# KiCad board haptic display 8x8 aisler.kicad_pcb (continued)
## Routing (per net, layer and track width the routed paths; a pad name or vN(x,y) marks a point on that pad's centre or on a via; arc(x,y) is an arc through that point) (continued)
  Front w0.25: 109.05,15.55 107.75,15.55 105.2,18.1 105.2,26.7 109.05,30.55 107.75,30.55 105.2,33.1 105.2,41.7 109.05,45.55 107.75,45.55 105.2,48.1 105.2,56.7 109.05,60.55 107.75,60.55 105.2,63.1 105.2,71.7 109.05,75.55 107.75,75.55 105.2,78.1 105.2,86.7 109.05,90.55 107.75,90.55 105.2,93.1 105.2,101.7 109.05,105.55 107.75,105.55 105.2,108.1 105.2,116.7 109.05,120.55 107.7,120.55 105.25,123 105.25,126.95 102.5,129.7 89.15,129.7 J1.7
  In1.Cu w0.15: v1(110.35,120) 110,120.35 110,120.55 109.68,120.56 109.37,120.6 109.06,120.66 108.75,120.74 108.45,120.84 108.16,120.97 107.88,121.11 107.61,121.28 107.35,121.46 107.1,121.66 106.88,121.88 106.66,122.11 106.47,122.36 106.29,122.62 106.13,122.89 105.99,123.17 105.88,123.46 105.78,123.76 105.7,124.07 105.65,124.37 105.62,124.69 105.61,125 105.63,125.31 105.66,125.62 105.72,125.93 105.8,126.23 105.9,126.53 106.02,126.82 106.17,127.09 106.33,127.36 106.51,127.61 106.71,127.85 106.92,128.08 107.15,128.29 107.39,128.48 107.65,128.66 107.92,128.81 108.2,128.95 108.48,129.07 108.78,129.16 109.08,129.23 109.38,129.29 109.69,129.32 110,129.32 110.31,129.31 110.61,129.28 110.92,129.22 111.22,129.14 111.51,129.04 111.79,128.92 112.06,128.78 112.33,128.62 112.58,128.44 112.81,128.25 113.04,128.04 113.24,127.81 113.43,127.57 113.6,127.32 113.76,127.05 113.89,126.78 114.01,126.49 114.1,126.2 114.17,125.91 114.22,125.61 114.25,125.3 114.26,125 114.25,124.7 114.21,124.39 114.16,124.1 114.08,123.8 113.98,123.52 113.86,123.24 113.72,122.97 113.57,122.71 113.39,122.46 113.2,122.23 112.99,122.01 112.77,121.8 112.53,121.62 112.28,121.45 112.02,121.3 111.75,121.16 111.47,121.05 111.19,120.96 110.89,120.89 110.6,120.84 110.3,120.81 110,120.8 109.69,120.81 109.37,120.85 109.07,120.91 108.77,121 108.47,121.1 108.19,121.23 107.91,121.38 107.65,121.55 107.4,121.74 107.16,121.94 106.95,122.17 106.74,122.4 106.56,122.66 106.4,122.92 106.26,123.2 106.13,123.48 106.03,123.78 105.96,124.08 105.9,124.38 105.87,124.69 105.86,125 105.88,125.31 105.91,125.62 105.97,125.92 106.06,126.22 106.16,126.51 106.29,126.79 106.43,127.06 106.6,127.32 106.79,127.56 106.99,127.79 107.21,128.01 107.44,128.21 107.69,128.39 107.95,128.55 108.22,128.69 108.51,128.81 108.8,128.91 109.09,128.98 109.39,129.04 109.7,129.07 110,129.07 110.3,129.06 110.61,129.02 110.9,128.96 111.2,128.88 111.48,128.78 111.76,128.66 112.03,128.51 112.28,128.35 112.52,128.17 112.75,127.97 112.96,127.75 113.16,127.52 113.33,127.27 113.49,127.02 113.63,126.75 113.75,126.47 113.85,126.19 113.92,125.89 113.97,125.6 114,125.3 114.01,125 114,124.7 113.96,124.4 113.9,124.11 113.82,123.82 113.72,123.54 113.6,123.27 113.46,123 113.3,122.75 113.12,122.51 112.92,122.29 112.71,122.08 112.48,121.89 112.24,121.72 111.99,121.56 111.72,121.43 111.45,121.31 111.17,121.21 110.88,121.14 110.59,121.09 110.3,121.06 110,121.05 109.69,121.07 109.38,121.1 109.08,121.17 108.78,121.26 108.49,121.37 108.22,121.5 107.95,121.65 107.69,121.82 107.45,122.02 107.23,122.23 107.02,122.46 106.83,122.7 106.67,122.96 106.52,123.23 106.39,123.51 106.29,123.79 106.21,124.09 106.15,124.39 106.12,124.69 106.11,125 106.13,125.3 106.17,125.61 106.23,125.91 106.31,126.2 106.42,126.48 106.55,126.76 106.7,127.02 106.88,127.27 107.07,127.51 107.27,127.73 107.5,127.93 107.74,128.11 107.99,128.28 108.25,128.42 108.53,128.55 108.81,128.65 109.1,128.73 109.4,128.78 109.7,128.82 110,128.82 110.3,128.81 110.6,128.77 110.89,128.71 111.18,128.63 111.46,128.52 111.73,128.39 111.99,128.24 112.23,128.07 112.47,127.89 112.68,127.68 112.88,127.46 113.06,127.23 113.23,126.98 113.37,126.72 113.49,126.45 113.59,126.17 113.67,125.88 113.72,125.59 113.75,125.3 113.76,125 113.75,124.71 113.71,124.41 113.65,124.12 113.57,123.84 113.46,123.57 113.34,123.3 113.19,123.05 113.02,122.8 112.84,122.57 112.64,122.36 112.42,122.17 112.19,121.99 111.94,121.83 111.69,121.69 111.42,121.57 111.15,121.47 110.87,121.39 110.58,121.34 110.29,121.31 110,121.3 109.69,121.32 109.39,121.36 109.09,121.42 108.8,121.51 108.52,121.63 108.25,121.76 107.99,121.92 107.74,122.1 107.51,122.3 107.3,122.52 107.11,122.75 106.94,123 106.78,123.26 106.65,123.53 106.55,123.81 106.46,124.1 106.41,124.4 106.37,124.7 106.36,125 106.38,125.3 106.42,125.6 106.48,125.89 106.57,126.18 106.68,126.45 106.82,126.72 106.97,126.98 107.15,127.22 107.35,127.44 107.56,127.65 107.79,127.84 108.03,128.01 108.29,128.16 108.56,128.29 108.83,128.39 109.12,128.48 109.41,128.53 109.7,128.57 110,128.57 110.29,128.56 110.59,128.52 110.88,128.46 111.16,128.37 111.43,128.26 111.69,128.13 111.94,127.97 112.18,127.8 112.4,127.61 112.61,127.4 112.79,127.17 112.96,126.93 113.11,126.68 113.23,126.42 113.33,126.14 113.41,125.86 113.47,125.58 113.5,125.29 113.51,125 113.5,124.71 113.46,124.42 113.4,124.14 113.31,123.86 113.2,123.6 113.07,123.34 112.92,123.09 112.75,122.86 112.56,122.64 112.36,122.44 112.14,122.26 111.9,122.09 111.65,121.95 111.39,121.83 111.12,121.72 110.85,121.65 110.57,121.59 110.29,121.56 110,121.55 109.7,121.57 109.4,121.61 109.11,121.68 108.82,121.77 108.55,121.89 108.29,122.03 108.04,122.19 107.8,122.38 107.58,122.58 107.38,122.8 107.21,123.04 107.05,123.3 106.91,123.56 106.8,123.84 106.72,124.12 106.66,124.41 106.62,124.7 106.61,125 106.63,125.29 106.67,125.59 106.74,125.87 106.83,126.15 106.95,126.42 107.08,126.68 107.25,126.93 107.43,127.16 107.63,127.37 107.84,127.57 108.08,127.74 108.33,127.9 108.59,128.03 108.86,128.14 109.14,128.22 109.42,128.28 109.71,128.32 110,128.32 110.29,128.31 110.58,128.27 110.86,128.2 111.13,128.11 111.4,128 111.65,127.86 111.89,127.7 112.12,127.53 112.33,127.33 112.52,127.11 112.69,126.89 112.84,126.64 112.97,126.39 113.08,126.12 113.16,125.85 113.22,125.57 113.25,125.28 113.26,125 113.25,124.72 113.21,124.43 113.14,124.16 113.05,123.89 112.94,123.63 112.81,123.38 112.65,123.14 112.48,122.92 112.28,122.72 112.07,122.53 111.85,122.36 111.61,122.21 111.36,122.08 111.1,121.98 110.83,121.9 110.56,121.84 110.28,121.81 110,121.8 109.71,121.82 109.41,121.86 109.13,121.93 108.85,122.03 108.58,122.15 108.33,122.3 108.09,122.47 107.86,122.66 107.66,122.87 107.48,123.09 107.31,123.34 107.17,123.59 107.06,123.86 106.97,124.14 106.91,124.42 106.87,124.71 106.86,125 106.88,125.29 106.92,125.58 106.99,125.86 107.09,126.13 107.21,126.39 107.35,126.64 107.52,126.88 107.7,127.09 107.91,127.29 108.13,127.47 108.37,127.63 108.62,127.77 108.88,127.88 109.16,127.97 109.43,128.03 109.72,128.07 110,128.07 110.28,128.06 110.56,128.02 110.84,127.95 111.11,127.85 111.36,127.74 111.61,127.6 111.84,127.43 112.05,127.25 112.25,127.05 112.42,126.83 112.58,126.6 112.71,126.35 112.82,126.09 112.91,125.83 112.97,125.55 113,125.28 113.01,125 113,124.72 112.95,124.45 112.89,124.18 112.8,123.92 112.68,123.67 112.54,123.43 112.38,123.2 112.2,122.99 112.01,122.8 111.79,122.63 111.56,122.47 111.32,122.34 111.07,122.24 110.81,122.15 110.54,122.09 110.27,122.06 110,122.05 109.71,122.07 109.43,122.11 109.15,122.19 108.88,122.29 108.62,122.42 108.37,122.57 108.15,122.74 107.94,122.94 107.75,123.15 107.58,123.38 107.44,123.63 107.32,123.89 107.23,124.16 107.16,124.44 107.12,124.72 107.11,125 107.13,125.28 107.18,125.56 107.25,125.83 107.35,126.1 107.47,126.35 107.62,126.59 107.79,126.81 107.98,127.02 108.19,127.2 108.42,127.37 108.66,127.51 108.91,127.62 109.18,127.71 109.45,127.78 109.72,127.82 110,127.83 110.28,127.81 110.55,127.76 110.82,127.69 111.08,127.6 111.32,127.47 111.56,127.33 111.77,127.16 111.98,126.98 112.16,126.77 112.32,126.55 112.45,126.31 112.57,126.06 112.65,125.81 112.72,125.54 112.75,125.27 112.76,125 112.75,124.73 112.7,124.46 112.63,124.2 112.54,123.95 112.42,123.71 112.28,123.48 112.11,123.26 111.93,123.07 111.73,122.89 111.51,122.74 111.28,122.6 111.04,122.49 110.79,122.41 110.53,122.34 110.27,122.31 110,122.3 109.72,122.32 109.44,122.37 109.17,122.44 108.91,122.55 108.66,122.68 108.43,122.84 108.21,123.02 108.02,123.22 107.85,123.44 107.7,123.67 107.58,123.92 107.48,124.18 107.41,124.45 107.37,124.72 107.36,125 107.38,125.28 107.43,125.55 107.5,125.81 107.61,126.07 107.73,126.31 107.89,126.54 108.06,126.75 108.26,126.94 108.47,127.1 108.7,127.25 108.95,127.37 109.2,127.46 109.46,127.53 109.73,127.57 110,127.58 110.27,127.56 110.53,127.51 110.79,127.44 111.04,127.34 111.28,127.21 111.5,127.06 111.7,126.89 111.89,126.7 112.05,126.49 112.19,126.27 112.31,126.03 112.4,125.78 112.47,125.52 112.5,125.26 112.51,125 112.49,124.74 112.45,124.48 112.38,124.23 112.28,123.98 112.16,123.75 112.01,123.54 111.85,123.34 111.66,123.16 111.45,123 111.24,122.86 111,122.75 110.76,122.66 110.51,122.6 110.26,122.56 110,122.55 109.73,122.57 109.46,122.62 109.2,122.7 108.94,122.81 108.71,122.94 108.49,123.11 108.29,123.29 108.11,123.49 107.96,123.72 107.83,123.96 107.73,124.21 107.66,124.47 107.62,124.73 107.61,125 107.63,125.27 107.68,125.53 107.76,125.78 107.87,126.03 108,126.26 108.15,126.47 108.33,126.67 108.53,126.84 108.75,126.99 108.98,127.11 109.23,127.21 109.48,127.28 109.74,127.31 110,127.33 110.26,127.31 110.52,127.26 110.76,127.18 111,127.08 111.23,126.95 111.43,126.8 111.62,126.62 111.79,126.43 111.93,126.22 112.05,125.99 112.15,125.75 112.21,125.51 112.25,125.25 112.26,125 112.24,124.75 112.2,124.5 112.12,124.26 112.02,124.03 111.9,123.81 111.75,123.61 111.58,123.42 111.39,123.26 111.18,123.12 110.96,123 110.73,122.91 110.49,122.85 110.25,122.81 110,122.8 109.74,122.82 109.48,122.87 109.22,122.96 108.99,123.07 108.76,123.21 108.56,123.37 108.38,123.56 108.22,123.77 108.09,124 107.99,124.24 107.92,124.49 107.87,124.74 107.86,125 107.88,125.26 107.93,125.51 108.01,125.75 108.12,125.98 108.26,126.2 108.42,126.4 108.6,126.57 108.81,126.73 109.03,126.85 109.26,126.95 109.5,127.02 109.75,127.06 110,127.08 110.25,127.06 110.49,127.01 110.73,126.93 110.96,126.82 111.17,126.69 111.36,126.53 111.53,126.35 111.68,126.16 111.8,125.94 111.9,125.72 111.96,125.48 112,125.24 112.01,125 111.99,124.76 111.94,124.52 111.87,124.29 111.76,124.07 111.64,123.87 111.48,123.68 111.31,123.52 111.12,123.38 110.92,123.26 110.7,123.16 110.47,123.1 110.24,123.06 110,123.05 109.75,123.07 109.5,123.13 109.26,123.21 109.04,123.33 108.83,123.47 108.64,123.64 108.48,123.84 108.35,124.05 108.24,124.27 108.17,124.51 108.12,124.75 108.11,125 108.13,125.25 108.19,125.49 108.27,125.72 108.38,125.93 108.52,126.13 108.69,126.31 108.87,126.47 109.08,126.6 109.3,126.7 109.52,126.77 109.76,126.81 110,126.83 110.24,126.8 110.47,126.75 110.69,126.67 110.9,126.56 111.1,126.43 111.27,126.27 111.42,126.09 111.54,125.89 111.64,125.68 111.71,125.46 111.75,125.23 111.76,125 111.74,124.77 111.69,124.55 111.61,124.33 111.51,124.13 111.38,123.94 111.22,123.78 111.05,123.63 110.86,123.51 110.66,123.41 110.44,123.35 110.22,123.31 110,123.3 109.76,123.32 109.52,123.38 109.3,123.47 109.09,123.59 108.91,123.74 108.74,123.91 108.6,124.1 108.49,124.31 108.42,124.54 108.37,124.77 108.36,125 108.38,125.23 108.44,125.46 108.53,125.67 108.64,125.87 108.78,126.05 108.95,126.21 109.14,126.34 109.34,126.45 109.55,126.52 109.78,126.56 110,126.58 110.22,126.55 110.44,126.5 110.65,126.42 110.84,126.31 111.01,126.17 111.16,126.01 111.29,125.83 111.39,125.64 111.46,125.43 111.5,125.22 111.51,125 111.49,124.79 111.44,124.58 111.36,124.38 111.25,124.19 111.12,124.03 110.97,123.88 110.8,123.76 110.61,123.67 110.41,123.6 110.21,123.56 110,123.55 110,123.6 109.63,123.97 109.59,123.98 ; v1(110.35,105) 110,105.35 110,105.55 109.68,105.56 109.37,105.6 109.06,105.66 108.75,105.74 108.45,105.84 108.16,105.97 107.88,106.11 107.61,106.28 107.35,106.46 107.1,106.66 106.88,106.88 106.66,107.11 106.47,107.36 106.29,107.62 106.13,107.89 105.99,108.17 105.88,108.46 105.78,108.76 105.7,109.07 105.65,109.37 105.62,109.69 105.61,110 105.63,110.31 105.66,110.62 105.72,110.93 105.8,111.23 105.9,111.53 106.02,111.82 106.17,112.09 106.33,112.36 106.51,112.61 106.71,112.85 106.92,113.08 107.15,113.29 107.39,113.48 107.65,113.66 107.92,113.81 108.2,113.95 108.48,114.07 108.78,114.16 109.08,114.23 109.38,114.29 109.69,114.32 110,114.33 110.31,114.31 110.61,114.28 110.92,114.22 111.22,114.14 111.51,114.04 111.79,113.92 112.06,113.78 112.33,113.62 112.58,113.44 112.81,113.25 113.04,113.04 113.24,112.81 113.43,112.57 113.6,112.32 113.76,112.05 113.89,111.78 114.01,111.49 114.1,111.2 114.17,110.91 114.22,110.61 114.25,110.3 114.26,110 114.25,109.7 114.21,109.39 114.16,109.1 114.08,108.8 113.98,108.52 113.86,108.24 113.72,107.97 113.57,107.71 113.39,107.46 113.2,107.23 112.99,107.01 112.77,106.8 112.53,106.62 112.28,106.45 112.02,106.3 111.75,106.16 111.47,106.05 111.19,105.96 110.89,105.89 110.6,105.84 110.3,105.81 110,105.8 109.69,105.81 109.37,105.85 109.07,105.91 108.77,106 108.47,106.1 108.19,106.23 107.91,106.38 107.65,106.55 107.4,106.74 107.16,106.94 106.95,107.17 106.74,107.4 106.56,107.66 106.4,107.92 106.26,108.2 106.13,108.48 106.03,108.78 105.96,109.08 105.9,109.38 105.87,109.69 105.86,110 105.88,110.31 105.91,110.62 105.97,110.92 106.06,111.22 106.16,111.51 106.29,111.79 106.43,112.06 106.6,112.32 106.79,112.56 106.99,112.79 107.21,113.01 107.44,113.21 107.69,113.39 107.95,113.55 108.22,113.69 108.51,113.81 108.8,113.91 109.09,113.98 109.39,114.04 109.7,114.07 110,114.08 110.3,114.06 110.61,114.02 110.9,113.96 111.2,113.88 111.48,113.78 111.76,113.66 112.03,113.51 112.28,113.35 112.52,113.17 112.75,112.97 112.96,112.75 113.16,112.52 113.33,112.27 113.49,112.02 113.63,111.75 113.75,111.47 113.85,111.19 113.92,110.89 113.97,110.6 114,110.3 114.01,110 114,109.7 113.96,109.4 113.9,109.11 113.82,108.82 113.72,108.54 113.6,108.27 113.46,108 113.3,107.75 113.12,107.51 112.92,107.29 112.71,107.08 112.48,106.89 112.24,106.72 111.99,106.56 111.72,106.43 111.45,106.31 111.17,106.21 110.88,106.14 110.59,106.09 110.3,106.06 110,106.05 109.69,106.07 109.38,106.1 109.08,106.17 108.78,106.26 108.49,106.37 108.22,106.5 107.95,106.65 107.69,106.82 107.45,107.02 107.23,107.23 107.02,107.46 106.83,107.7 106.67,107.96 106.52,108.23 106.39,108.51 106.29,108.79 106.21,109.09 106.15,109.39 106.12,109.69 106.11,110 106.13,110.3 106.17,110.61 106.23,110.91 106.31,111.2 106.42,111.48 106.55,111.76 106.7,112.02 106.88,112.27 107.07,112.51 107.27,112.73 107.5,112.93 107.74,113.11 107.99,113.28 108.25,113.42 108.53,113.55 108.81,113.65 109.1,113.73 109.4,113.78 109.7,113.82 110,113.83 110.3,113.81 110.6,113.77 110.89,113.71 111.18,113.63 111.46,113.52 111.73,113.39 111.99,113.24 112.23,113.07 112.47,112.89 112.68,112.68 112.88,112.46 113.06,112.23 113.23,111.98 113.37,111.72 113.49,111.45 113.59,111.17 113.67,110.88 113.72,110.59 113.75,110.3 113.76,110 113.75,109.71 113.71,109.41 113.65,109.12 113.57,108.84 113.46,108.57 113.34,108.3 113.19,108.05 113.02,107.8 112.84,107.57 112.64,107.36 112.42,107.17 112.19,106.99 111.94,106.83 111.69,106.69 111.42,106.57 111.15,106.47 110.87,106.39 110.58,106.34 110.29,106.31 110,106.3 109.69,106.32 109.39,106.36 109.09,106.42 108.8,106.51 108.52,106.63 108.25,106.76 107.99,106.92 107.74,107.1 107.51,107.3 107.3,107.52 107.11,107.75 106.94,108 106.78,108.26 106.65,108.53 106.55,108.81 106.46,109.1 106.41,109.4 106.37,109.7 106.36,110 106.38,110.3 106.42,110.6 106.48,110.89 106.57,111.18 106.68,111.45 106.82,111.72 106.97,111.98 107.15,112.22 107.35,112.44 107.56,112.65 107.79,112.84 108.03,113.01 108.29,113.16 108.56,113.29 108.83,113.39 109.12,113.48 109.41,113.53 109.7,113.57 110,113.58 110.29,113.56 110.59,113.52 110.88,113.46 111.16,113.37 111.43,113.26 111.69,113.13 111.94,112.97 112.18,112.8 112.4,112.61 112.61,112.4 112.79,112.17 112.96,111.93 113.11,111.68 113.23,111.42 113.33,111.14 113.41,110.86 113.47,110.58 113.5,110.29 113.51,110 113.5,109.71 113.46,109.42 113.4,109.14 113.31,108.86 113.2,108.6 113.07,108.34 112.92,108.09 112.75,107.86 112.56,107.64 112.36,107.44 112.14,107.26 111.9,107.09 111.65,106.95 111.39,106.83 111.12,106.72 110.85,106.65 110.57,106.59 110.29,106.56 110,106.55 109.7,106.57 109.4,106.61 109.11,106.68 108.82,106.77 108.55,106.89 108.29,107.03 108.04,107.19 107.8,107.38 107.58,107.58 107.38,107.8 107.21,108.04 107.05,108.3 106.91,108.56 106.8,108.84 106.72,109.12 106.66,109.41 106.62,109.7 106.61,110 106.63,110.29 106.67,110.59 106.74,110.87 106.83,111.15 106.95,111.42 107.08,111.68 107.25,111.93 107.43,112.16 107.63,112.37 107.84,112.57 108.08,112.74 108.33,112.9 108.59,113.03 108.86,113.14 109.14,113.22 109.42,113.28 109.71,113.32 110,113.33 110.29,113.31 110.58,113.27 110.86,113.2 111.13,113.11 111.4,113 111.65,112.86 111.89,112.7 112.12,112.53 112.33,112.33 112.52,112.11 112.69,111.89 112.84,111.64 112.97,111.39 113.08,111.12 113.16,110.85 113.22,110.57 113.25,110.28 113.26,110 113.25,109.72 113.21,109.43 113.14,109.16 113.05,108.89 112.94,108.63 112.81,108.38 112.65,108.14 112.48,107.92 112.28,107.72 112.07,107.53 111.85,107.36 111.61,107.21 111.36,107.08 111.1,106.98 110.83,106.9 110.56,106.84 110.28,106.81 110,106.8 109.71,106.82 109.41,106.86 109.13,106.93 108.85,107.03 108.58,107.15 108.33,107.3 108.09,107.47 107.86,107.66 107.66,107.87 107.48,108.09 107.31,108.34 107.17,108.59 107.06,108.86 106.97,109.14 106.91,109.42 106.87,109.71 106.86,110 106.88,110.29 106.92,110.58 106.99,110.86 107.09,111.13 107.21,111.39 107.35,111.64 107.52,111.88 107.7,112.09 107.91,112.29 108.13,112.47 108.37,112.63 108.62,112.77 108.88,112.88 109.16,112.97 109.43,113.03 109.72,113.07 110,113.08 110.28,113.06 110.56,113.02 110.84,112.95 111.11,112.85 111.36,112.74 111.61,112.6 111.84,112.43 112.05,112.25 112.25,112.05 112.42,111.83 112.58,111.6 112.71,111.35 112.82,111.09 112.91,110.83 112.97,110.55 113,110.28 113.01,110 113,109.72 112.95,109.45 112.89,109.18 112.8,108.92 112.68,108.67 112.54,108.43 112.38,108.2 112.2,107.99 112.01,107.8 111.79,107.63 111.56,107.47 111.32,107.34 111.07,107.24 110.81,107.15 110.54,107.09 110.27,107.06 110,107.05 109.71,107.07 109.43,107.11 109.15,107.19 108.88,107.29 108.62,107.42 108.37,107.57 108.15,107.74 107.94,107.94 107.75,108.15 107.58,108.38 107.44,108.63 107.32,108.89 107.23,109.16 107.16,109.44 107.12,109.72 107.11,110 107.13,110.28 107.18,110.56 107.25,110.83 107.35,111.1 107.47,111.35 107.62,111.59 107.79,111.81 107.98,112.02 108.19,112.2 108.42,112.37 108.66,112.51 108.91,112.62 109.18,112.71 109.45,112.78 109.72,112.82 110,112.83 110.28,112.81 110.55,112.76 110.82,112.69 111.08,112.6 111.32,112.47 111.56,112.33 111.77,112.16 111.98,111.98 112.16,111.77 112.32,111.55 112.45,111.31 112.57,111.06 112.65,110.81 112.72,110.54 112.75,110.27 112.76,110 112.75,109.73 112.7,109.46 112.63,109.2 112.54,108.95 112.42,108.71 112.28,108.48 112.11,108.26 111.93,108.07 111.73,107.89 111.51,107.74 111.28,107.6 111.04,107.49 110.79,107.41 110.53,107.34 110.27,107.31 110,107.3 109.72,107.32 109.44,107.37 109.17,107.44 108.91,107.55 108.66,107.68 108.43,107.84 108.21,108.02 108.02,108.22 107.85,108.44 107.7,108.67 107.58,108.92 107.48,109.18 107.41,109.45 107.37,109.72 107.36,110 107.38,110.28 107.43,110.55 107.5,110.81 107.61,111.07 107.73,111.31 107.89,111.54 108.06,111.75 108.26,111.94 108.47,112.1 108.7,112.25 108.95,112.37 109.2,112.46 109.46,112.53 109.73,112.57 110,112.58 110.27,112.56 110.53,112.51 110.79,112.44 111.04,112.34 111.28,112.21 111.5,112.06 111.7,111.89 111.89,111.7 112.05,111.49 112.19,111.27 112.31,111.03 112.4,110.78 112.47,110.52 112.5,110.26 112.51,110 112.49,109.74 112.45,109.48 112.38,109.23 112.28,108.98 112.16,108.75 112.01,108.54 111.85,108.34 111.66,108.16 111.45,108 111.24,107.86 111,107.75 110.76,107.66 110.51,107.6 110.26,107.56 110,107.55 109.73,107.57 109.46,107.62 109.2,107.7 108.94,107.81 108.71,107.94 108.49,108.11 108.29,108.29 108.11,108.49 107.96,108.72 107.83,108.96 107.73,109.21 107.66,109.47 107.62,109.73 107.61,110 107.63,110.27 107.68,110.53 107.76,110.78 107.87,111.03 108,111.26 108.15,111.47 108.33,111.67 108.53,111.84 108.75,111.99 108.98,112.11 109.23,112.21 109.48,112.28 109.74,112.31 110,112.33 110.26,112.31 110.52,112.26 110.76,112.18 111,112.08 111.23,111.95 111.43,111.8 111.62,111.62 111.79,111.43 111.93,111.22 112.05,110.99 112.15,110.75 112.21,110.51 112.25,110.25 112.26,110 112.24,109.75 112.2,109.5 112.12,109.26 112.02,109.03 111.9,108.81 111.75,108.61 111.58,108.42 111.39,108.26 111.18,108.12 110.96,108 110.73,107.91 110.49,107.85 110.25,107.81 110,107.8 109.74,107.82 109.48,107.87 109.22,107.96 108.99,108.07 108.76,108.21 108.56,108.37 108.38,108.56 108.22,108.77 108.09,109 107.99,109.24 107.92,109.49 107.87,109.74 107.86,110 107.88,110.26 107.93,110.51 108.01,110.75 108.12,110.98 108.26,111.2 108.42,111.4 108.6,111.57 108.81,111.73 109.03,111.85 109.26,111.95 109.5,112.02 109.75,112.06 110,112.08 110.25,112.06 110.49,112.01 110.73,111.93 110.96,111.82 111.17,111.69 111.36,111.53 111.53,111.35 111.68,111.16 111.8,110.94 111.9,110.72 111.96,110.48 112,110.24 112.01,110 111.99,109.76 111.94,109.52 111.87,109.29 111.76,109.07 111.64,108.87 111.48,108.68 111.31,108.52 111.12,108.38 110.92,108.26 110.7,108.16 110.47,108.1 110.24,108.06 110,108.05 109.75,108.07 109.5,108.13 109.26,108.21 109.04,108.33 108.83,108.47 108.64,108.64 108.48,108.84 108.35,109.05 108.24,109.27 108.17,109.51 108.12,109.75 108.11,110 108.13,110.25 108.19,110.49 108.27,110.72 108.38,110.93 108.52,111.13 108.69,111.31 108.87,111.47 109.08,111.6 109.3,111.7 109.52,111.77 109.76,111.81 110,111.83 110.24,111.8 110.47,111.75 110.69,111.67 110.9,111.56 111.1,111.43 111.27,111.27 111.42,111.09 111.54,110.89 111.64,110.68 111.71,110.46 111.75,110.23 111.76,110 111.74,109.77 111.69,109.55 111.61,109.33 111.51,109.13 111.38,108.94 111.22,108.78 111.05,108.63 110.86,108.51 110.66,108.41 110.44,108.35 110.22,108.31 110,108.3 109.76,108.32 109.52,108.38 109.3,108.47 109.09,108.59 108.91,108.74 108.74,108.91 108.6,109.1 108.49,109.31 108.42,109.54 108.37,109.77 108.36,110 108.38,110.23 108.44,110.46 108.53,110.67 108.64,110.87 108.78,111.05 108.95,111.21 109.14,111.34 109.34,111.45 109.55,111.52 109.78,111.56 110,111.58 110.22,111.55 110.44,111.5 110.65,111.42 110.84,111.31 111.01,111.17 111.16,111.01 111.29,110.83 111.39,110.64 111.46,110.43 111.5,110.22 111.51,110 111.49,109.79 111.44,109.58 111.36,109.38 111.25,109.19 111.12,109.03 110.97,108.88 110.8,108.76 110.61,108.67 110.41,108.6 110.21,108.56 110,108.55 110,108.6 109.63,108.97 109.59,108.98 ; v1(110.35,90) 110,90.35 110,90.55 109.68,90.56 109.37,90.6 109.06,90.66 108.75,90.74 108.45,90.84 108.16,90.97 107.88,91.11 107.61,91.28 107.35,91.46 107.1,91.66 106.88,91.88 106.66,92.11 106.47,92.36 106.29,92.62 106.13,92.89 105.99,93.17 105.88,93.46 105.78,93.76 105.7,94.07 105.65,94.37 105.62,94.69 105.61,95 105.63,95.31 105.66,95.62 105.72,95.93 105.8,96.23 105.9,96.53 106.02,96.82 106.17,97.09 106.33,97.36 106.51,97.61 106.71,97.85 106.92,98.08 107.15,98.29 107.39,98.48 107.65,98.66 107.92,98.81 108.2,98.95 108.48,99.07 108.78,99.16 109.08,99.23 109.38,99.29 109.69,99.32 110,99.33 110.31,99.31 110.61,99.28 110.92,99.22 111.22,99.14 111.51,99.04 111.79,98.92 112.06,98.78 112.33,98.62 112.58,98.44 112.81,98.25 113.04,98.04 113.24,97.81 113.43,97.57 113.6,97.32 113.76,97.05 113.89,96.78 114.01,96.49 114.1,96.2 114.17,95.91 114.22,95.61 114.25,95.3 114.26,95 114.25,94.7 114.21,94.39 114.16,94.1 114.08,93.8 113.98,93.52 113.86,93.24 113.72,92.97 113.57,92.71 113.39,92.46 113.2,92.23 112.99,92.01 112.77,91.8 112.53,91.62 112.28,91.45 112.02,91.3 111.75,91.16 111.47,91.05 111.19,90.96 110.89,90.89 110.6,90.84 110.3,90.81 110,90.8 109.69,90.81 109.37,90.85 109.07,90.91 108.77,91 108.47,91.1 108.19,91.23 107.91,91.38 107.65,91.55 107.4,91.74 107.16,91.94 106.95,92.17 106.74,92.4 106.56,92.66 106.4,92.92 106.26,93.2 106.13,93.48 106.03,93.78 105.96,94.08 105.9,94.38 105.87,94.69 105.86,95 105.88,95.31 105.91,95.62 105.97,95.92 106.06,96.22 106.16,96.51 106.29,96.79 106.43,97.06 106.6,97.32 106.79,97.56 106.99,97.79 107.21,98.01 107.44,98.21 107.69,98.39 107.95,98.55 108.22,98.69 108.51,98.81 108.8,98.91 109.09,98.98 109.39,99.04 109.7,99.07 110,99.08 110.3,99.06 110.61,99.02 110.9,98.96 111.2,98.88 111.48,98.78 111.76,98.66 112.03,98.51 112.28,98.35 112.52,98.17 112.75,97.97 112.96,97.75 113.16,97.52 113.33,97.27 113.49,97.02 113.63,96.75 113.75,96.47 113.85,96.19 113.92,95.89 113.97,95.6 114,95.3 114.01,95 114,94.7 113.96,94.4 113.9,94.11 113.82,93.82 113.72,93.54 113.6,93.27 113.46,93 113.3,92.75 113.12,92.51 112.92,92.29 112.71,92.08 112.48,91.89 112.24,91.72 111.99,91.56 111.72,91.43 111.45,91.31 111.17,91.21 110.88,91.14 110.59,91.09 110.3,91.06 110,91.05 109.69,91.07 109.38,91.1 109.08,91.17 108.78,91.26 108.49,91.37 108.22,91.5 107.95,91.65 107.69,91.82 107.45,92.02 107.23,92.23 107.02,92.46 106.83,92.7 106.67,92.96 106.52,93.23 106.39,93.51 106.29,93.79 106.21,94.09 106.15,94.39 106.12,94.69 106.11,95 106.13,95.3 106.17,95.61 106.23,95.91 106.31,96.2 106.42,96.48 106.55,96.76 106.7,97.02 106.88,97.27 107.07,97.51 107.27,97.73 107.5,97.93 107.74,98.11 107.99,98.28 108.25,98.42 108.53,98.55 108.81,98.65 109.1,98.73 109.4,98.78 109.7,98.82 110,98.83 110.3,98.81 110.6,98.77 110.89,98.71 111.18,98.63 111.46,98.52 111.73,98.39 111.99,98.24 112.23,98.07 112.47,97.89 112.68,97.68 112.88,97.46 113.06,97.23 113.23,96.98 113.37,96.72 113.49,96.45 113.59,96.17 113.67,95.88 113.72,95.59 113.75,95.3 113.76,95 113.75,94.71 113.71,94.41 113.65,94.12 113.57,93.84 113.46,93.57 113.34,93.3 113.19,93.05 113.02,92.8 112.84,92.57 112.64,92.36 112.42,92.17 112.19,91.99 111.94,91.83 111.69,91.69 111.42,91.57 111.15,91.47 110.87,91.39 110.58,91.34 110.29,91.31 110,91.3 109.69,91.32 109.39,91.36 109.09,91.42 108.8,91.51 108.52,91.63 108.25,91.76 107.99,91.92 107.74,92.1 107.51,92.3 107.3,92.52 107.11,92.75 106.94,93 106.78,93.26 106.65,93.53 106.55,93.81 106.46,94.1 106.41,94.4 106.37,94.7 106.36,95 106.38,95.3 106.42,95.6 106.48,95.89 106.57,96.18 106.68,96.45 106.82,96.72 106.97,96.98 107.15,97.22 107.35,97.44 107.56,97.65 107.79,97.84 108.03,98.01 108.29,98.16 108.56,98.29 108.83,98.39 109.12,98.48 109.41,98.53 109.7,98.57 110,98.58 110.29,98.56 110.59,98.52 110.88,98.46 111.16,98.37 111.43,98.26 111.69,98.13 111.94,97.97 112.18,97.8 112.4,97.61 112.61,97.4 112.79,97.17 112.96,96.93 113.11,96.68 113.23,96.42 113.33,96.14 113.41,95.86 113.47,95.58 113.5,95.29 113.51,95 113.5,94.71 113.46,94.42 113.4,94.14 113.31,93.86 113.2,93.6 113.07,93.34 112.92,93.09 112.75,92.86 112.56,92.64 112.36,92.44 112.14,92.26 111.9,92.09 111.65,91.95 111.39,91.83 111.12,91.72 110.85,91.65 110.57,91.59 110.29,91.56 110,91.55 109.7,91.57 109.4,91.61 109.11,91.68 108.82,91.77 108.55,91.89 108.29,92.03 108.04,92.19 107.8,92.38 107.58,92.58 107.38,92.8 107.21,93.04 107.05,93.3 106.91,93.56 106.8,93.84 106.72,94.12 106.66,94.41 106.62,94.7 106.61,95 106.63,95.29 106.67,95.59 106.74,95.87 106.83,96.15 106.95,96.42 107.08,96.68 107.25,96.93 107.43,97.16 107.63,97.37 107.84,97.57 108.08,97.74 108.33,97.9 108.59,98.03 108.86,98.14 109.14,98.22 109.42,98.28 109.71,98.32 110,98.33 110.29,98.31 110.58,98.27 110.86,98.2 111.13,98.11 111.4,98 111.65,97.86 111.89,97.7 112.12,97.53 112.33,97.33 112.52,97.11 112.69,96.89 112.84,96.64 112.97,96.39 113.08,96.12 113.16,95.85 113.22,95.57 113.25,95.28 113.26,95 113.25,94.72 113.21,94.43 113.14,94.16 113.05,93.89 112.94,93.63 112.81,93.38 112.65,93.14 112.48,92.92 112.28,92.72 112.07,92.53 111.85,92.36 111.61,92.21 111.36,92.08 111.1,91.98 110.83,91.9 110.56,91.84 110.28,91.81 110,91.8 109.71,91.82 109.41,91.86 109.13,91.93 108.85,92.03 108.58,92.15 108.33,92.3 108.09,92.47 107.86,92.66 107.66,92.87 107.48,93.09 107.31,93.34 107.17,93.59 107.06,93.86 106.97,94.14 106.91,94.42 106.87,94.71 106.86,95 106.88,95.29 106.92,95.58 106.99,95.86 107.09,96.13 107.21,96.39 107.35,96.64 107.52,96.88 107.7,97.09 107.91,97.29 108.13,97.47 108.37,97.63 108.62,97.77 108.88,97.88 109.16,97.97 109.43,98.03 109.72,98.07 110,98.08 110.28,98.06 110.56,98.02 110.84,97.95 111.11,97.85 111.36,97.74 111.61,97.6 111.84,97.43 112.05,97.25 112.25,97.05 112.42,96.83 112.58,96.6 112.71,96.35 112.82,96.09 112.91,95.83 112.97,95.55 113,95.28 113.01,95 113,94.72 112.95,94.45 112.89,94.18 112.8,93.92 112.68,93.67 112.54,93.43 112.38,93.2 112.2,92.99 112.01,92.8 111.79,92.63 111.56,92.47 111.32,92.34 111.07,92.24 110.81,92.15 110.54,92.09 110.27,92.06 110,92.05 109.71,92.07 109.43,92.11 109.15,92.19 108.88,92.29 108.62,92.42 108.37,92.57 108.15,92.74 107.94,92.94 107.75,93.15 107.58,93.38 107.44,93.63 107.32,93.89 107.23,94.16 107.16,94.44 107.12,94.72 107.11,95 107.13,95.28 107.18,95.56 107.25,95.83 107.35,96.1 107.47,96.35 107.62,96.59 107.79,96.81 107.98,97.02 108.19,97.2 108.42,97.37 108.66,97.51 108.91,97.62 109.18,97.71 109.45,97.78 109.72,97.82 110,97.83 110.28,97.81 110.55,97.76 110.82,97.69 111.08,97.6 111.32,97.47 111.56,97.33 111.77,97.16 111.98,96.98 112.16,96.77 112.32,96.55 112.45,96.31 112.57,96.06 112.65,95.81 112.72,95.54 112.75,95.27 112.76,95 112.75,94.73 112.7,94.46 112.63,94.2 112.54,93.95 112.42,93.71 112.28,93.48 112.11,93.26 111.93,93.07 111.73,92.89 111.51,92.74 111.28,92.6 111.04,92.49 110.79,92.41 110.53,92.34 110.27,92.31 110,92.3 109.72,92.32 109.44,92.37 109.17,92.44 108.91,92.55 108.66,92.68 108.43,92.84 108.21,93.02 108.02,93.22 107.85,93.44 107.7,93.67 107.58,93.92 107.48,94.18 107.41,94.45 107.37,94.72 107.36,95 107.38,95.28 107.43,95.55 107.5,95.81 107.61,96.07 107.73,96.31 107.89,96.54 108.06,96.75 108.26,96.94 108.47,97.1 108.7,97.25 108.95,97.37 109.2,97.46 109.46,97.53 109.73,97.57 110,97.58 110.27,97.56 110.53,97.51 110.79,97.44 111.04,97.34 111.28,97.21 111.5,97.06 111.7,96.89 111.89,96.7 112.05,96.49 112.19,96.27 112.31,96.03 112.4,95.78 112.47,95.52 112.5,95.26 112.51,95 112.49,94.74 112.45,94.48 112.38,94.23 112.28,93.98 112.16,93.75 112.01,93.54 111.85,93.34 111.66,93.16 111.45,93 111.24,92.86 111,92.75 110.76,92.66 110.51,92.6 110.26,92.56 110,92.55 109.73,92.57 109.46,92.62 109.2,92.7 108.94,92.81 108.71,92.94 108.49,93.11 108.29,93.29 108.11,93.49 107.96,93.72 107.83,93.96 107.73,94.21 107.66,94.47 107.62,94.73 107.61,95 107.63,95.27 107.68,95.53 107.76,95.78 107.87,96.03 108,96.26 108.15,96.47 108.33,96.67 108.53,96.84 108.75,96.99 108.98,97.11 109.23,97.21 109.48,97.28 109.74,97.31 110,97.33 110.26,97.31 110.52,97.26 110.76,97.18 111,97.08 111.23,96.95 111.43,96.8 111.62,96.62 111.79,96.43 111.93,96.22 112.05,95.99 112.15,95.75 112.21,95.51 112.25,95.25 112.26,95 112.24,94.75 112.2,94.5 112.12,94.26 112.02,94.03 111.9,93.81 111.75,93.61 111.58,93.42 111.39,93.26 111.18,93.12 110.96,93 110.73,92.91 110.49,92.85 110.25,92.81 110,92.8 109.74,92.82 109.48,92.87 109.22,92.96 108.99,93.07 108.76,93.21 108.56,93.37 108.38,93.56 108.22,93.77 108.09,94 107.99,94.24 107.92,94.49 107.87,94.74 107.86,95 107.88,95.26 107.93,95.51 108.01,95.75 108.12,95.98 108.26,96.2 108.42,96.4 108.6,96.57 108.81,96.73 109.03,96.85 109.26,96.95 109.5,97.02 109.75,97.06 110,97.08 110.25,97.06 110.49,97.01 110.73,96.93 110.96,96.82 111.17,96.69 111.36,96.53 111.53,96.35 111.68,96.16 111.8,95.94 111.9,95.72 111.96,95.48 112,95.24 112.01,95 111.99,94.76 111.94,94.52 111.87,94.29 111.76,94.07 111.64,93.87 111.48,93.68 111.31,93.52 111.12,93.38 110.92,93.26 110.7,93.16 110.47,93.1 110.24,93.06 110,93.05 109.75,93.07 109.5,93.13 109.26,93.21 109.04,93.33 108.83,93.47 108.64,93.64 108.48,93.84 108.35,94.05 108.24,94.27 108.17,94.51 108.12,94.75 108.11,95 108.13,95.25 108.19,95.49 108.27,95.72 108.38,95.93 108.52,96.13 108.69,96.31 108.87,96.47 109.08,96.6 109.3,96.7 109.52,96.77 109.76,96.81 110,96.83 110.24,96.8 110.47,96.75 110.69,96.67 110.9,96.56 111.1,96.43 111.27,96.27 111.42,96.09 111.54,95.89 111.64,95.68 111.71,95.46 111.75,95.23 111.76,95 111.74,94.77 111.69,94.55 111.61,94.33 111.51,94.13 111.38,93.94 111.22,93.78 111.05,93.63 110.86,93.51 110.66,93.41 110.44,93.35 110.22,93.31 110,93.3 109.76,93.32 109.52,93.38 109.3,93.47 109.09,93.59 108.91,93.74 108.74,93.91 108.6,94.1 108.49,94.31 108.42,94.54 108.37,94.77 108.36,95 108.38,95.23 108.44,95.46 108.53,95.67 108.64,95.87 108.78,96.05 108.95,96.21 109.14,96.34 109.34,96.45 109.55,96.52 109.78,96.56 110,96.58 110.22,96.55 110.44,96.5 110.65,96.42 110.84,96.31 111.01,96.17 111.16,96.01 111.29,95.83 111.39,95.64 111.46,95.43 111.5,95.22 111.51,95 111.49,94.79 111.44,94.58 111.36,94.38 111.25,94.19 111.12,94.03 110.97,93.88 110.8,93.76 110.61,93.67 110.41,93.6 110.21,93.56 110,93.55 110,93.6 109.63,93.97 109.59,93.98 ; v1(110.35,75) 110,75.35 110,75.55 109.68,75.56 109.37,75.6 109.06,75.66 108.75,75.74 108.45,75.84 108.16,75.97 107.88,76.11 107.61,76.28 107.35,76.46 107.1,76.66 106.88,76.88 106.66,77.11 106.47,77.36 106.29,77.62 106.13,77.89 105.99,78.17 105.88,78.46 105.78,78.76 105.7,79.07 105.65,79.37 105.62,79.69 105.61,80 105.63,80.31 105.66,80.62 105.72,80.93 105.8,81.23 105.9,81.53 106.02,81.82 106.17,82.09 106.33,82.36 106.51,82.61 106.71,82.85 106.92,83.08 107.15,83.29 107.39,83.48 107.65,83.66 107.92,83.81 108.2,83.95 108.48,84.07 108.78,84.16 109.08,84.23 109.38,84.29 109.69,84.32 110,84.33 110.31,84.31 110.61,84.28 110.92,84.22 111.22,84.14 111.51,84.04 111.79,83.92 112.06,83.78 112.33,83.62 112.58,83.44 112.81,83.25 113.04,83.04 113.24,82.81 113.43,82.57 113.6,82.32 113.76,82.05 113.89,81.78 114.01,81.49 114.1,81.2 114.17,80.91 114.22,80.61 114.25,80.3 114.26,80 114.25,79.7 114.21,79.39 114.16,79.1 114.08,78.8 113.98,78.52 113.86,78.24 113.72,77.97 113.57,77.71 113.39,77.46 113.2,77.23 112.99,77.01 112.77,76.8 112.53,76.62 112.28,76.45 112.02,76.3 111.75,76.16 111.47,76.05 111.19,75.96 110.89,75.89 110.6,75.84 110.3,75.81 110,75.8 109.69,75.81 109.37,75.85 109.07,75.91 108.77,76 108.47,76.1 108.19,76.23 107.91,76.38 107.65,76.55 107.4,76.74 107.16,76.94 106.95,77.17 106.74,77.4 106.56,77.66 106.4,77.92 106.26,78.2 106.13,78.48 106.03,78.78 105.96,79.08 105.9,79.38 105.87,79.69 105.86,80 105.88,80.31 105.91,80.62 105.97,80.92 106.06,81.22 106.16,81.51 106.29,81.79 106.43,82.06 106.6,82.32 106.79,82.56 106.99,82.79 107.21,83.01 107.44,83.21 107.69,83.39 107.95,83.55 108.22,83.69 108.51,83.81 108.8,83.91 109.09,83.98 109.39,84.04 109.7,84.07 110,84.08 110.3,84.06 110.61,84.02 110.9,83.96 111.2,83.88 111.48,83.78 111.76,83.66 112.03,83.51 112.28,83.35 112.52,83.17 112.75,82.97 112.96,82.75 113.16,82.52 113.33,82.27 113.49,82.02 113.63,81.75 113.75,81.47 113.85,81.19 113.92,80.89 113.97,80.6 114,80.3 114.01,80 114,79.7 113.96,79.4 113.9,79.11 113.82,78.82 113.72,78.54 113.6,78.27 113.46,78 113.3,77.75 113.12,77.51 112.92,77.29 112.71,77.08 112.48,76.89 112.24,76.72 111.99,76.56 111.72,76.43 111.45,76.31 111.17,76.21 110.88,76.14 110.59,76.09 110.3,76.06 110,76.05 109.69,76.07 109.38,76.1 109.08,76.17 108.78,76.26 108.49,76.37 108.22,76.5 107.95,76.65 107.69,76.82 107.45,77.02 107.23,77.23 107.02,77.46 106.83,77.7 106.67,77.96 106.52,78.23 106.39,78.51 106.29,78.79 106.21,79.09 106.15,79.39 106.12,79.69 106.11,80 106.13,80.3 106.17,80.61 106.23,80.91 106.31,81.2 106.42,81.48 106.55,81.76 106.7,82.02 106.88,82.27 107.07,82.51 107.27,82.73 107.5,82.93 107.74,83.11 107.99,83.28 108.25,83.42 108.53,83.55 108.81,83.65 109.1,83.73 109.4,83.78 109.7,83.82 110,83.83 110.3,83.81 110.6,83.77 110.89,83.71 111.18,83.63 111.46,83.52 111.73,83.39 111.99,83.24 112.23,83.07 112.47,82.89 112.68,82.68 112.88,82.46 113.06,82.23 113.23,81.98 113.37,81.72 113.49,81.45 113.59,81.17 113.67,80.88 113.72,80.59 113.75,80.3 113.76,80 113.75,79.71 113.71,79.41 113.65,79.12 113.57,78.84 113.46,78.57 113.34,78.3 113.19,78.05 113.02,77.8 112.84,77.57 112.64,77.36 112.42,77.17 112.19,76.99 111.94,76.83 111.69,76.69 111.42,76.57 111.15,76.47 110.87,76.39 110.58,76.34 110.29,76.31 110,76.3 109.69,76.32 109.39,76.36 109.09,76.42 108.8,76.51 108.52,76.63 108.25,76.76 107.99,76.92 107.74,77.1 107.51,77.3 107.3,77.52 107.11,77.75 106.94,78 106.78,78.26 106.65,78.53 106.55,78.81 106.46,79.1 106.41,79.4 106.37,79.7 106.36,80 106.38,80.3 106.42,80.6 106.48,80.89 106.57,81.18 106.68,81.45 106.82,81.72 106.97,81.98 107.15,82.22 107.35,82.44 107.56,82.65 107.79,82.84 108.03,83.01 108.29,83.16 108.56,83.29 108.83,83.39 109.12,83.48 109.41,83.53 109.7,83.57 110,83.58 110.29,83.56 110.59,83.52 110.88,83.46 111.16,83.37 111.43,83.26 111.69,83.13 111.94,82.97 112.18,82.8 112.4,82.61 112.61,82.4 112.79,82.17 112.96,81.93 113.11,81.68 113.23,81.42 113.33,81.14 113.41,80.86 113.47,80.58 113.5,80.29 113.51,80 113.5,79.71 113.46,79.42 113.4,79.14 113.31,78.86 113.2,78.6 113.07,78.34 112.92,78.09 112.75,77.86 112.56,77.64 112.36,77.44 112.14,77.26 111.9,77.09 111.65,76.95 111.39,76.83 111.12,76.72 110.85,76.65 110.57,76.59 110.29,76.56 110,76.55 109.7,76.57 109.4,76.61 109.11,76.68 108.82,76.77 108.55,76.89 108.29,77.03 108.04,77.19 107.8,77.38 107.58,77.58 107.38,77.8 107.21,78.04 107.05,78.3 106.91,78.56 106.8,78.84 106.72,79.12 106.66,79.41 106.62,79.7 106.61,80 106.63,80.29 106.67,80.59 106.74,80.87 106.83,81.15 106.95,81.42 107.08,81.68 107.25,81.93 107.43,82.16 107.63,82.37 107.84,82.57 108.08,82.74 108.33,82.9 108.59,83.03 108.86,83.14 109.14,83.22 109.42,83.28 109.71,83.32 110,83.33 110.29,83.31 110.58,83.27 110.86,83.2 111.13,83.11 111.4,83 111.65,82.86 111.89,82.7 112.12,82.53 112.33,82.33 112.52,82.11 112.69,81.89 112.84,81.64 112.97,81.39 113.08,81.12 113.16,80.85 113.22,80.57 113.25,80.28 113.26,80 113.25,79.72 113.21,79.43 113.14,79.16 113.05,78.89 112.94,78.63 112.81,78.38 112.65,78.14 112.48,77.92 112.28,77.72 112.07,77.53 111.85,77.36 111.61,77.21 111.36,77.08 111.1,76.98 110.83,76.9 110.56,76.84 110.28,76.81 110,76.8 109.71,76.82 109.41,76.86 109.13,76.93 108.85,77.03 108.58,77.15 108.33,77.3 108.09,77.47 107.86,77.66 107.66,77.87 107.48,78.09 107.31,78.34 107.17,78.59 107.06,78.86 106.97,79.14 106.91,79.42 106.87,79.71 106.86,80 106.88,80.29 106.92,80.58 106.99,80.86 107.09,81.13 107.21,81.39 107.35,81.64 107.52,81.88 107.7,82.09 107.91,82.29 108.13,82.47 108.37,82.63 108.62,82.77 108.88,82.88 109.16,82.97 109.43,83.03 109.72,83.07 110,83.08 110.28,83.06 110.56,83.02 110.84,82.95 111.11,82.85 111.36,82.74 111.61,82.6 111.84,82.43 112.05,82.25 112.25,82.05 112.42,81.83 112.58,81.6 112.71,81.35 112.82,81.09 112.91,80.83 112.97,80.55 113,80.28 113.01,80 113,79.72 112.95,79.45 112.89,79.18 112.8,78.92 112.68,78.67 112.54,78.43 112.38,78.2 112.2,77.99 112.01,77.8 111.79,77.63 111.56,77.47 111.32,77.34 111.07,77.24 110.81,77.15 110.54,77.09 110.27,77.06 110,77.05 109.71,77.07 109.43,77.11 109.15,77.19 108.88,77.29 108.62,77.42 108.37,77.57 108.15,77.74 107.94,77.94 107.75,78.15 107.58,78.38 107.44,78.63 107.32,78.89 107.23,79.16 107.16,79.44 107.12,79.72 107.11,80 107.13,80.28 107.18,80.56 107.25,80.83 107.35,81.1 107.47,81.35 107.62,81.59 107.79,81.81 107.98,82.02 108.19,82.2 108.42,82.37 108.66,82.51 108.91,82.62 109.18,82.71 109.45,82.78 109.72,82.82 110,82.83 110.28,82.81 110.55,82.76 110.82,82.69 111.08,82.6 111.32,82.47 111.56,82.33 111.77,82.16 111.98,81.98 112.16,81.77 112.32,81.55 112.45,81.31 112.57,81.06 112.65,80.81 112.72,80.54 112.75,80.27 112.76,80 112.75,79.73 112.7,79.46 112.63,79.2 112.54,78.95 112.42,78.71 112.28,78.48 112.11,78.26 111.93,78.07 111.73,77.89 111.51,77.74 111.28,77.6 111.04,77.49 110.79,77.41 110.53,77.34 110.27,77.31 110,77.3 109.72,77.32 109.44,77.37 109.17,77.44 108.91,77.55 108.66,77.68 108.43,77.84 108.21,78.02 108.02,78.22 107.85,78.44 107.7,78.67 107.58,78.92 107.48,79.18 107.41,79.45 107.37,79.72 107.36,80 107.38,80.28 107.43,80.55 107.5,80.81 107.61,81.07 107.73,81.31 107.89,81.54 108.06,81.75 108.26,81.94 108.47,82.1 108.7,82.25 108.95,82.37 109.2,82.46 109.46,82.53 109.73,82.57 110,82.58 110.27,82.56 110.53,82.51 110.79,82.44 111.04,82.34 111.28,82.21 111.5,82.06 111.7,81.89 111.89,81.7 112.05,81.49 112.19,81.27 112.31,81.03 112.4,80.78 112.47,80.52 112.5,80.26 112.51,80 112.49,79.74 112.45,79.48 112.38,79.23 112.28,78.98 112.16,78.75 112.01,78.54 111.85,78.34 111.66,78.16 111.45,78 111.24,77.86 111,77.75 110.76,77.66 110.51,77.6 110.26,77.56 110,77.55 109.73,77.57 109.46,77.62 109.2,77.7 108.94,77.81 108.71,77.94 108.49,78.11 108.29,78.29 108.11,78.49 107.96,78.72 107.83,78.96 107.73,79.21 107.66,79.47 107.62,79.73 107.61,80 107.63,80.27 107.68,80.53 107.76,80.78 107.87,81.03 108,81.26 108.15,81.47 108.33,81.67 108.53,81.84 108.75,81.99 108.98,82.11 109.23,82.21 109.48,82.28 109.74,82.31 110,82.33 110.26,82.31 110.52,82.26 110.76,82.18 111,82.08 111.23,81.95 111.43,81.8 111.62,81.62 111.79,81.43 111.93,81.22 112.05,80.99 112.15,80.75 112.21,80.51 112.25,80.25 112.26,80 112.24,79.75 112.2,79.5 112.12,79.26 112.02,79.03 111.9,78.81 111.75,78.61 111.58,78.42 111.39,78.26 111.18,78.12 110.96,78 110.73,77.91 110.49,77.85 110.25,77.81 110,77.8 109.74,77.82 109.48,77.87 109.22,77.96 108.99,78.07 108.76,78.21 108.56,78.37 108.38,78.56 108.22,78.77 